# Altium PCB BPod Panel Due.PcbDoc (part 2 of 5)
Units mm, origin at the board's own origin, x right, y up, seen from the top; angles counter-clockwise.
Board outline 420 x 122 mm, 4 copper layers (Top Layer, Layer 2, Layer 3, Bottom Layer), stack 1.571 mm thick; 601 components, 454 nets, 1970 pads, 528 vias.
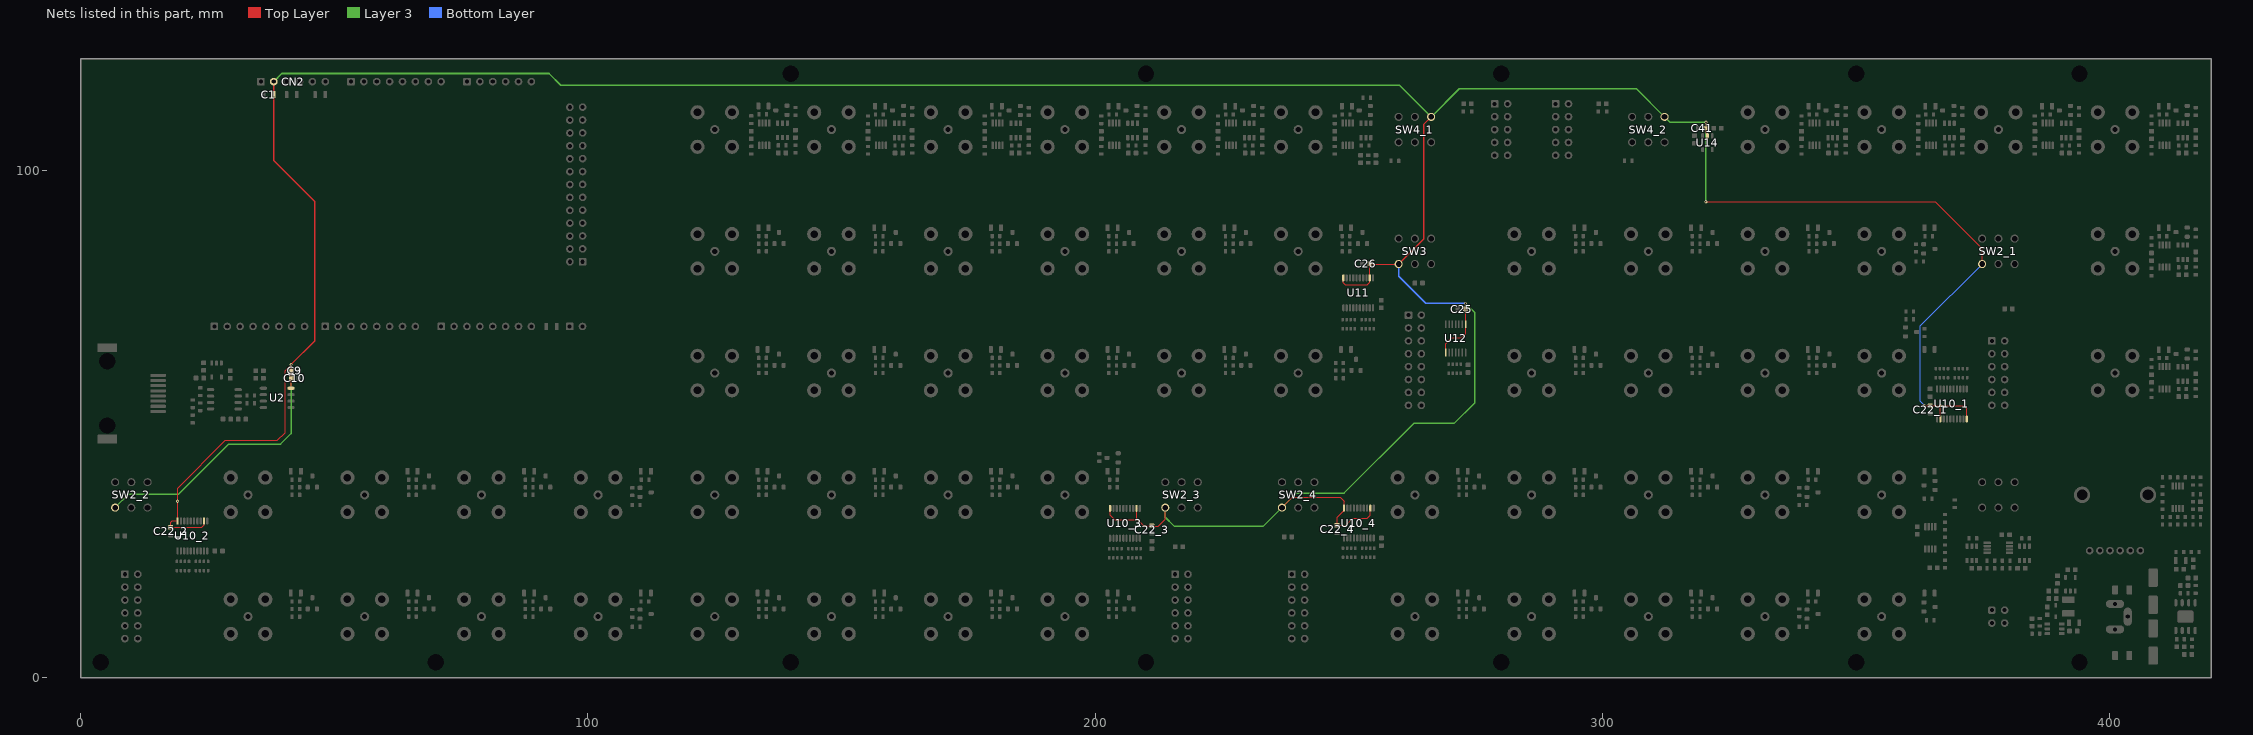
[diagram p4: the nets of this part, all layers, seen from the top]

## Components (designator, comment, footprint, x,y, rotation, side; value= is the part's Value field where it differs from the comment) (continued)
R24_2 "R0603-33K" RES_CHIP_0603 161.275,104.875 r180 top value=33k (schematic designator R24)
R24_3 "R0603-33K" RES_CHIP_0603 184.275,104.875 r180 top value=33k (schematic designator R24)
R24_4 "R0603-33K" RES_CHIP_0603 207.275,104.875 r180 top value=33k (schematic designator R24)
R24_5 "R0603-33K" RES_CHIP_0603 230.275,104.875 r180 top value=33k (schematic designator R24)
R24_6 "R0603-33K" RES_CHIP_0603 253.2,104.875 r180 top value=33k (schematic designator R24)
R24_7 "R0603-33K" RES_CHIP_0603 345.275,104.875 r180 top value=33k (schematic designator R24)
R24_8 "R0603-33K" RES_CHIP_0603 368.275,104.875 r180 top value=33k (schematic designator R24)
R24_9 "R0603-33K" RES_CHIP_0603 391.275,104.875 r180 top value=33k (schematic designator R24)
R24_10 "R0603-33K" RES_CHIP_0603 414.275,104.875 r180 top value=33k (schematic designator R24)
R24_11 "R0603-33K" RES_CHIP_0603 414.275,80.875 r180 top value=33k (schematic designator R24)
R24_12 "R0603-33K" RES_CHIP_0603 414.275,56.875 r180 top value=33k (schematic designator R24)
R25_1 "R0603-68K" RES_CHIP_0603 140.9,104.175 r90 top value=68k (schematic designator R25)
R25_2 "R0603-68K" RES_CHIP_0603 163.9,104.15 r90 top value=68k (schematic designator R25)
R25_3 "R0603-68K" RES_CHIP_0603 186.9,104.15 r90 top value=68k (schematic designator R25)
R25_4 "R0603-68K" RES_CHIP_0603 209.9,104.15 r90 top value=68k (schematic designator R25)
R25_5 "R0603-68K" RES_CHIP_0603 232.9,104.15 r90 top value=68k (schematic designator R25)
R25_6 "R0603-68K" RES_CHIP_0603 253.8,102.2 r90 top value=68k (schematic designator R25)
R25_7 "R0603-68K" RES_CHIP_0603 347.9,104.15 r90 top value=68k (schematic designator R25)
R25_8 "R0603-68K" RES_CHIP_0603 370.9,104.15 r90 top value=68k (schematic designator R25)
R25_9 "R0603-68K" RES_CHIP_0603 393.9,104.15 r90 top value=68k (schematic designator R25)
R25_10 "R0603-68K" RES_CHIP_0603 416.9,104.15 r90 top value=68k (schematic designator R25)
R25_11 "R0603-68K" RES_CHIP_0603 416.9,80.15 r90 top value=68k (schematic designator R25)
R25_12 "R0603-68K" RES_CHIP_0603 416.9,56.15 r90 top value=68k (schematic designator R25)
R26_1 "R0603-100K" RES_CHIP_0603 132.2,109.95 r90 top value=100k (schematic designator R26)
R26_2 "R0603-100K" RES_CHIP_0603 155.2,109.925 r90 top value=100k (schematic designator R26)
R26_3 "R0603-100K" RES_CHIP_0603 178.2,109.925 r90 top value=100k (schematic designator R26)
R26_4 "R0603-100K" RES_CHIP_0603 201.2,109.925 r90 top value=100k (schematic designator R26)
R26_5 "R0603-100K" RES_CHIP_0603 224.2,109.925 r90 top value=100k (schematic designator R26)
R26_6 "R0603-100K" RES_CHIP_0603 247.2,109.925 r90 top value=100k (schematic designator R26)
R26_7 "R0603-100K" RES_CHIP_0603 339.2,109.925 r90 top value=100k (schematic designator R26)
R26_8 "R0603-100K" RES_CHIP_0603 362.2,109.925 r90 top value=100k (schematic designator R26)
R26_9 "R0603-100K" RES_CHIP_0603 385.2,109.925 r90 top value=100k (schematic designator R26)
R26_10 "R0603-100K" RES_CHIP_0603 408.2,109.925 r90 top value=100k (schematic designator R26)
R26_11 "R0603-100K" RES_CHIP_0603 408.2,85.925 r90 top value=100k (schematic designator R26)
R26_12 "R0603-100K" RES_CHIP_0603 408.2,61.925 r90 top value=100k (schematic designator R26)
R27_1 "R0603-100K" RES_CHIP_0603 132.2,103.95 r270 top value=100k (schematic designator R27)
R27_2 "R0603-100K" RES_CHIP_0603 155.2,103.925 r270 top value=100k (schematic designator R27)
R27_3 "R0603-100K" RES_CHIP_0603 178.2,103.925 r270 top value=100k (schematic designator R27)
R27_4 "R0603-100K" RES_CHIP_0603 201.2,103.925 r270 top value=100k (schematic designator R27)
R27_5 "R0603-100K" RES_CHIP_0603 224.2,103.925 r270 top value=100k (schematic designator R27)
R27_6 "R0603-100K" RES_CHIP_0603 247.2,103.925 r270 top value=100k (schematic designator R27)
R27_7 "R0603-100K" RES_CHIP_0603 339.2,103.925 r270 top value=100k (schematic designator R27)
R27_8 "R0603-100K" RES_CHIP_0603 362.2,103.925 r270 top value=100k (schematic designator R27)
R27_9 "R0603-100K" RES_CHIP_0603 385.2,103.925 r270 top value=100k (schematic designator R27)
R27_10 "R0603-100K" RES_CHIP_0603 408.2,103.925 r270 top value=100k (schematic designator R27)
R27_11 "R0603-100K" RES_CHIP_0603 408.2,79.925 r270 top value=100k (schematic designator R27)
R27_12 "R0603-100K" RES_CHIP_0603 408.2,55.925 r270 top value=100k (schematic designator R27)
R28_1 "R0603-680R" RES_CHIP_0603 140.9,111.6 r90 top value=680 (schematic designator R28)
R28_2 "R0603-680R" RES_CHIP_0603 163.9,111.575 r90 top value=680 (schematic designator R28)
R28_3 "R0603-680R" RES_CHIP_0603 186.9,111.575 r90 top value=680 (schematic designator R28)
R28_4 "R0603-680R" RES_CHIP_0603 209.9,111.575 r90 top value=680 (schematic designator R28)
R28_5 "R0603-680R" RES_CHIP_0603 232.9,111.575 r90 top value=680 (schematic designator R28)
R28_6 "R0603-680R" RES_CHIP_0603 253.5,114.275 r0 top value=680 (schematic designator R28)
R28_7 "R0603-680R" RES_CHIP_0603 347.9,111.575 r90 top value=680 (schematic designator R28)
R28_8 "R0603-680R" RES_CHIP_0603 370.9,111.575 r90 top value=680 (schematic designator R28)
R28_9 "R0603-680R" RES_CHIP_0603 393.9,111.575 r90 top value=680 (schematic designator R28)
R28_10 "R0603-680R" RES_CHIP_0603 416.9,111.575 r90 top value=680 (schematic designator R28)
R28_11 "R0603-680R" RES_CHIP_0603 416.9,87.575 r90 top value=680 (schematic designator R28)
R28_12 "R0603-680R" RES_CHIP_0603 416.9,63.575 r90 top value=680 (schematic designator R28)
R29_1 "R0603-100K" RES_CHIP_0603 259.05,101.825 r180 top value=100k (schematic designator R29)
R29_2 "R0603-100K" RES_CHIP_0603 305.05,101.825 r180 top value=100k (schematic designator R29)
R30 "R0603-20K" RES_CHIP_0603 413.9,7.55 r180 top value=20k
R31 "R0603-33K" RES_CHIP_0603 416.15,6.8 r90 top value=33k
R32 "R1206-10R" RES_CHIP_1206 402.4,4.325 r180 top value=10
R33 "VOLUME" VR_RK12L12C 401,36 r0 top value=10k
R34 "R0603-1M" RES_CHIP_0603 413.775,24.725 r180 top value=1M
R35 "R0603-1M" RES_CHIP_0603 416.775,24.725 r180 top value=1M
R36 "R1206-10R" RES_CHIP_1206 402.4,17.275 r180 top value=10
R37 "R0603-33K" RES_CHIP_0603 416.875,17.375 r270 top value=33k
R38 "R0603-20K" RES_CHIP_0603 414.625,16.625 r180 top value=20k
R39 "R0603-62K" RES_CHIP_0603 386.15,10.9 r90 top value=62k
R40 "R0603-10K" RES_CHIP_0603 385.4,8.65 r0 top value=10k
R41 "R0603-910R" RES_CHIP_0603 416.35,33.9 r270 top value=910
R42 "R0603-10K" RES_CHIP_0603 417.85,38.7 r90 top value=10k
R43 "R0603-15K" RES_CHIP_0603 416.35,38.7 r270 top value=15k
R44 "R0603-110R" RES_CHIP_0603 417.1,36.15 r180 top value=110
R45 "R0603-10K" RES_CHIP_0603 411.1,39.45 r180 top value=10k
R46 "R0603-100K" RES_CHIP_0603 414.1,39.45 r180 top value=100k
R47 "R0603-15K" RES_CHIP_0603 410.35,36.9 r90 top value=15k
R48 "R0603-910R" RES_CHIP_0603 417.1,31.65 r0 top value=910
R49 "R0603-10K" RES_CHIP_0603 414.1,30.15 r180 top value=10k
R50 "R0603-15K" RES_CHIP_0603 414.1,31.65 r0 top value=15k
R51 "R0603-110R" RES_CHIP_0603 417.1,30.15 r180 top value=110
R52 "R0603-10K" RES_CHIP_0603 411.1,31.65 r0 top value=10k
R53 "R0603-100K" RES_CHIP_0603 411.1,30.15 r180 top value=100k
R54 "R0603-15K" RES_CHIP_0603 410.35,33.9 r270 top value=15k
RN1_1 "RN0603-10R" RES_ARRAY_0603 366.875,60 r90 top value=10 (schematic designator RN1)
RN1_2 "RN0603-10R" RES_ARRAY_0603 23.925,21.975 r270 top value=10 (schematic designator RN1)
RN1_3 "RN0603-10R" RES_ARRAY_0603 207.725,24.5 r270 top value=10 (schematic designator RN1)
RN1_4 "RN0603-10R" RES_ARRAY_0603 253.775,24.6 r270 top value=10 (schematic designator RN1)
RN2_1 "RN0603-10R" RES_ARRAY_0603 370.625,60 r90 top value=10 (schematic designator RN2)
RN2_2 "RN0603-10R" RES_ARRAY_0603 20.175,21.975 r270 top value=10 (schematic designator RN2)
RN2_3 "RN0603-10R" RES_ARRAY_0603 203.975,24.5 r270 top value=10 (schematic designator RN2)
RN2_4 "RN0603-10R" RES_ARRAY_0603 250.025,24.6 r270 top value=10 (schematic designator RN2)
RN3 "RN0603-10R" RES_ARRAY_0603 253.7,69.65 r270 top value=10
RN4 "RN0603-10R" RES_ARRAY_0603 249.95,69.65 r270 top value=10
RN5 "RN0603-10R" RES_ARRAY_0603 270.85,60.875 r270 top value=10
SW1 "LVL_SW" SW_SLIDE_OS202013MT8 378,36 r180 top
SW2_1 "LVL_SW" SW_SLIDE_OS202013MT8 378,84 r180 top (schematic designator SW2)
SW2_2 "LVL_SW" SW_SLIDE_OS202013MT8 10,36 r180 top (schematic designator SW2)
SW2_3 "LVL_SW" SW_SLIDE_OS202013MT8 217,36 r180 top (schematic designator SW2)
SW2_4 "LVL_SW" SW_SLIDE_OS202013MT8 240,36 r180 top (schematic designator SW2)
SW3 "LVL_SW" SW_SLIDE_OS202013MT8 263,84 r180 top
SW4_1 "LVL_SW" SW_SLIDE_OS202013MT8 263,108 r180 top (schematic designator SW4)
SW4_2 "LVL_SW" SW_SLIDE_OS202013MT8 309,108 r180 top (schematic designator SW4)
U1 "SP490E" SOIC8 28.35,54.841 r90 top
U2 "ADUM1201B" SOIC8 38.75,55.11 r270 top
U3 "SPX3819-5V" SOT23-5 26.8,60.6 r180 top
U4 "ADG819" SOT23-6 372.775,24.475 r0 top
U5 "AD8606" VSSOP8_3X3_0.65E 378,25.575 r270 top
U6 "AD8606" VSSOP8_3X3_0.65E 364.588,27.525 r180 top
U7 "ADG819" SOT23-6 383.15,24.475 r0 top
U8_1 "ADG819" SOT23-6 138.35,107.85 r180 top (schematic designator U8)
U8_2 "ADG819" SOT23-6 161.35,107.825 r180 top (schematic designator U8)
U8_3 "ADG819" SOT23-6 184.35,107.825 r180 top (schematic designator U8)
U8_4 "ADG819" SOT23-6 207.35,107.825 r180 top (schematic designator U8)
U8_5 "ADG819" SOT23-6 230.35,107.825 r180 top (schematic designator U8)
U8_6 "ADG819" SOT23-6 253.35,107.825 r180 top (schematic designator U8)
U8_7 "ADG819" SOT23-6 345.35,107.825 r180 top (schematic designator U8)
U8_8 "ADG819" SOT23-6 368.35,107.825 r180 top (schematic designator U8)
U8_9 "ADG819" SOT23-6 391.35,107.825 r180 top (schematic designator U8)
U8_10 "ADG819" SOT23-6 414.35,107.825 r180 top (schematic designator U8)
U8_11 "ADG819" SOT23-6 414.35,83.825 r180 top (schematic designator U8)
U8_12 "ADG819" SOT23-6 414.35,59.825 r180 top (schematic designator U8)
U9_1 "AD8606" VSSOP8_3X3_0.65E 134.75,107.1 r180 top (schematic designator U9)
U9_2 "AD8606" VSSOP8_3X3_0.65E 157.75,107.1 r180 top (schematic designator U9)
U9_3 "AD8606" VSSOP8_3X3_0.65E 180.75,107.1 r180 top (schematic designator U9)
U9_4 "AD8606" VSSOP8_3X3_0.65E 203.75,107.1 r180 top (schematic designator U9)
U9_5 "AD8606" VSSOP8_3X3_0.65E 226.75,107.1 r180 top (schematic designator U9)
U9_6 "AD8606" VSSOP8_3X3_0.65E 249.75,107.1 r180 top (schematic designator U9)
U9_7 "AD8606" VSSOP8_3X3_0.65E 341.75,107.1 r180 top (schematic designator U9)
U9_8 "AD8606" VSSOP8_3X3_0.65E 364.75,107.1 r180 top (schematic designator U9)
U9_9 "AD8606" VSSOP8_3X3_0.65E 387.75,107.1 r180 top (schematic designator U9)
U9_10 "AD8606" VSSOP8_3X3_0.65E 410.75,107.1 r180 top (schematic designator U9)
U9_11 "AD8606" VSSOP8_3X3_0.65E 410.75,83.075 r180 top (schematic designator U9)
U9_12 "AD8606" VSSOP8_3X3_0.65E 410.75,59.075 r180 top (schematic designator U9)
U10_1 "TXB0108" TSSOP20_6.5X4.4_0.65E 368.85,53.925 r0 top (schematic designator U10)
U10_2 "TXB0108" TSSOP20_6.5X4.4_0.65E 22.05,27.9 r180 top (schematic designator U10)
U10_3 "TXB0108" TSSOP20_6.5X4.4_0.65E 205.85,30.4 r180 top (schematic designator U10)
U10_4 "TXB0108" TSSOP20_6.5X4.4_0.65E 251.95,30.45 r180 top (schematic designator U10)
U11 "TXB0108" TSSOP20_6.5X4.4_0.65E 251.825,75.825 r180 top
U12 "TXB0104" TSSOP14_5X4.4_0.65E 271.025,66.85 r180 top
U13 "AD8397" SOIC8_AD8397 414.875,12 r0 top
U14 "TPS60403" SOT23-5 320.65,105.425 r180 top
U15 "RT8259" SOT23-6 389.083,9.6 r270 top
U16 "SPX3819-5V" SOT23-5 392.2,18.4 r0 top
U17 "AD8606" VSSOP8_3X3_0.65E 413.35,35.55 r180 top

## Footprints (in the part's own frame and the unit in brackets; to place one, negate y for a bottom-side part, rotate by r counter-clockwise, add the part's x,y. Pads: shape width x height; smd on the part's side, far side on the other; paste and mask are expansions set on the pad)
6339160-1 [mm] "Modular Connectors / Ethernet Connectors 8 contacts;Ultra Low profile;RA TH; RJ45"
  rrect10% 1.7x3.9 smd: 0(-9,0) 0(9,0)
  rrect50% 0.61x3.05 smd: 1(3.556,10) 2(2.54,10) 3(1.524,10) 4(0.508,10) 5(-0.508,10) 6(-1.524,10) 7(-2.54,10) 8(-3.556,10)
  round 0 hole 3.2: ""(-6.35,0) ""(6.35,0)
  silkscreen extent -9.32,-5.28 9.32,10.34, body extent -9.4,-5.28 9.4,11.21, height 14.82
BNC-AMP-112515 [mm] "BNC Board-End 4GHz 50£[ Plugin Coaxial Connectors (RF) ROHS"
  round 1.8 hole 1: 1(0,0)
  round 2.8 hole 1.5: 2(-3.4,-3.4) 2(-3.4,3.4) 2(3.4,3.4) 2(3.4,-3.4)
  silkscreen extent -4.8,-5.75 4.8,5.75, body extent -5.74,-5.75 5.74,5.75, height 20.1
CAP_CHIP_0603 [mm]
  rrect25% 0.9x0.95 smd: 1(-0.75,0) 2(0.75,0)
  silkscreen extent -1.5,-0.75 1.5,0.75, body extent -0.8,-0.4 0.8,0.4, height 0.8
CAP_CHIP_0805 [mm] "Chip Capacitor, 2-Leads, Body 2.00x1.25mm, IPC Medium Density"
  rrect25% 0.7x1.4 smd: 1(-1,0) 2(1,0)
  silkscreen extent -1.7,-0.95 1.7,0.95, body extent -1,-0.63 1,0.63, height 1.26
ECAP_SMD_6.3X5.4 [mm] "Aluminum Electrolytic Capacitor, Body 6.60x6.60x5.80mm, IPC Low Density"
  rrect25% 3.6x1.85 smd: 1(-2.675,0) 2(2.675,0)
  silkscreen extent -3.4,-3.4 3.4,3.4, body extent -3.65,-3.4 3.65,3.4, height 5.8
FB_CHIP_0603 [mm]
  rrect25% 0.65x0.85 smd: 1(-0.85,0) 2(0.85,0)
  silkscreen extent -1.5,-0.75 1.5,0.75, body extent -0.8,-0.4 0.8,0.4, height 0.45
FB_CHIP_0805 [mm]
  rrect25% 0.75x1.3 smd: 1(-1,0) 2(1,0)
  silkscreen extent -1.65,-0.9 1.65,0.9, body extent -1,-0.62 1,0.63, height 0.85
IND_PWR_1210 [mm]
  rrect25% 1.3x2.5 smd: 1(-1.35,0) 2(1.35,0)
  silkscreen extent -2.3,-1.6 2.3,1.6, body extent -2.1,-1.45 2.1,1.45, height 0.25
LED_CHIP_0805 [mm]
  rrect25% 0.75x1.3 smd: 1(-1,0) 2(1,0)
  silkscreen extent -1.65,-0.9 1.65,0.9, body extent -1,-0.62 1,0.62, height 1
PIN_2.54_1X2P [mm] "PinHeader 1x2 TH Pitch 2.54mm"
  rrect25% 1.5x1.5 hole 0.8: 1(-1.295,0)
  round 1.5 hole 0.8: 2(1.245,0)
  silkscreen extent -2.57,-1.27 2.51,1.27, body extent -2.54,-1.25 2.54,1.25, height 8.2
PIN_2.54_1X6P [mm] "PinHeader 1x6 TH Pitch 2.54mm"
  rrect25% 1.5x1.5 hole 0.8: 1(-6.35,0)
  round 1.5 hole 0.8: 2(-3.81,0) 3(-1.27,0) 4(1.27,0) 5(3.81,0) 6(6.35,0)
  silkscreen extent -7.65,-1.3 7.59,1.24, body extent -7.64,-1.25 7.6,1.25, height 8.2
PIN_2.54_1X8P [mm] "PinHeader 1x8 TH Pitch 2.54mm"
  rrect25% 1.5x1.5 hole 0.8: 1(0,0)
  round 1.5 hole 0.8: 2(2.54,0) 3(5.08,0) 4(7.62,0) 5(10.16,0) 6(12.7,0) 7(15.24,0) 8(17.78,0)
  silkscreen extent -1.27,-1.27 19.05,1.27, body extent -1.27,-1.25 19.05,1.25, height 8.2
PIN_2.54_2X2P [mm]
  rrect50% 1.5x1.5 hole 0.8: 1(-1.27,-1.27)
  round 1.5 hole 0.8: 2(-1.27,1.27) 3(1.27,-1.27) 4(1.27,1.27)
  silkscreen extent -2.55,-2.51 2.55,2.57, body extent -2.54,-2.5 2.54,2.5, height 8.2
PIN_2.54_2X5P [mm]
  rrect25% 1.5x1.5 hole 0.8: 1(-5.08,-1.27)
  round 1.5 hole 0.8: 2(-5.08,1.27) 3(-2.54,-1.27) 4(-2.54,1.27) 5(0,-1.27) 6(0,1.27) 7(2.54,-1.27) 8(2.54,1.27) 9(5.08,-1.27) 10(5.08,1.27)
  silkscreen extent -6.35,-2.52 6.33,2.55, body extent -6.25,-2.54 6.25,2.54, height 8.2
PIN_2.54_2X6P [mm]
  rrect25% 1.5x1.5 hole 0.8: 1(-6.35,-1.27)
  round 1.5 hole 0.8: 2(-6.35,1.27) 3(-3.81,-1.27) 4(-3.81,1.27) 5(-1.27,-1.27) 6(-1.27,1.27) 7(1.27,-1.27) 8(1.27,1.27) 9(3.81,-1.27) 10(3.81,1.27) 11(6.35,-1.27) 12(6.35,1.27)
  silkscreen extent -7.65,-2.51 7.65,2.57, body extent -7.5,-2.54 7.5,2.54, height 8.2
PIN_2.54_2X8P [mm]
  rrect25% 1.5x1.5 hole 0.8: 1(-8.89,-1.27)
  round 1.5 hole 0.8: 2(-8.89,1.27) 3(-6.35,-1.27) 4(-6.35,1.27) 5(-3.81,-1.27) 6(-3.81,1.27) 7(-1.27,-1.27) 8(-1.27,1.27) 9(1.27,-1.27) 10(1.27,1.27) 11(3.81,-1.27) 12(3.81,1.27) 13(6.35,-1.27) 14(6.35,1.27) 15(8.89,-1.27) 16(8.89,1.27)
  silkscreen extent -10.16,-2.55 10.14,2.53, body extent -10.01,-2.54 9.99,2.54, height 8.2
PIN_2.54_2X13P [mm]
  rrect25% 1.5x1.5 hole 0.8: 1(-15.215,-1.27)
  round 1.5 hole 0.8: 2(-15.215,1.27) 3(-12.675,-1.27) 4(-12.7,1.27) 5(-10.135,-1.27) 6(-10.16,1.27) 7(-7.595,-1.27) 8(-7.62,1.27) 9(-5.055,-1.27) 10(-5.08,1.27) 11(-2.515,-1.27) 12(-2.54,1.27) 13(0.025,-1.27) 14(0,1.27) 15(2.565,-1.27) 16(2.54,1.27) 17(5.105,-1.27) 18(5.08,1.27) 19(7.645,-1.27) 20(7.62,1.27) 21(10.185,-1.27) 22(10.16,1.27) 23(12.725,-1.27) 24(12.7,1.27) 25(15.265,-1.27) 26(15.24,1.27)
  silkscreen extent -16.51,-2.51 16.49,2.57, body extent -16.51,-2.54 16.51,2.54, height 8.51
PJ-3920 [mm] "3.5mm Headphone Jack 30V 500mA Plugin Audio Connectors"
  oval 1.6x3.6 hole 0.8 slot 2.8 at 90 deg paste-2539.97 mask+0.051: 1(2.5,0)
  oval 3.6x1.6 hole 0.8 slot 2.6 at 0 deg paste-2539.97 mask+0.051: 2(0,-2.5) 3(0,2.5)
  silkscreen extent -4,-4 4,4, body extent -4,-4 4,4, height 14.41
RES_ARRAY_0603 [mm] "Chip Array, Flat, 8-Leads, Pitch 0.80mm,  Body 3.20x1.60mm,  IPC Medium Density"
  rrect50% 0.7x0.5 smd: 1(-0.9,1.2) 2(-0.9,0.4) 3(-0.9,-0.4) 4(-0.9,-1.2) 5(0.9,-1.2) 6(0.9,-0.4) 7(0.9,0.4) 8(0.9,1.2)
  silkscreen extent -0.9,-1.75 0.9,1.75, body extent -0.92,-1.68 0.92,1.68, height 0.5
RES_CHIP_0603 [mm]
  rrect25% 0.65x0.85 smd: 1(-0.75,0) 2(0.75,0)
  silkscreen extent -1.5,-0.75 1.5,0.75, body extent -0.8,-0.4 0.8,0.4, height 0.45
RES_CHIP_1206 [mm]
  rrect25% 1.15x1.75 smd: 1(-1.4,0) 2(1.4,0)
  silkscreen extent -2.3,-1.15 2.3,1.15, body extent -1.6,-0.8 1.6,0.8, height 0.55
SOD323 [mm]
  rrect25% 0.85x0.5 smd: 1(-1.125,0) 2(1.125,0)
  silkscreen extent -1.5,-0.75 0.9,0.75, body extent -1.25,-0.72 1.25,0.72, height 1.2
SOIC8 [mm] "SOIC, 8-Leads, Body 4.90x3.90mm, Pitch 1.27mm, IPC Medium Density"
  oval 0.6x1.45 smd: 1(-1.905,-2.725) 2(-0.635,-2.725) 3(0.635,-2.725) 4(1.905,-2.725) 5(1.905,2.725) 6(0.635,2.725) 7(-0.635,2.725) 8(-1.905,2.725)
  silkscreen extent -2.88,-2.85 2.5,1.6, body extent -2.5,-3 2.5,3, height 1.75
SOIC8_AD8397 [mm] "SOP, 8-Leads, Body 4.90x3.90mm, Pitch 1.27mm, Thermal Pad 3.10x2.41mm, IPC Medium Density"
  oval 0.6x1.45 smd: 1(-1.905,-2.725) 2(-0.635,-2.725) 3(0.635,-2.725) 4(1.905,-2.725) 5(1.905,2.725) 6(0.635,2.725) 7(-0.635,2.725) 8(-1.905,2.725)
  rrect25% 3.1x2.41 smd: 4(0,0)
  rrect25% 3.1x2.41 smd far side paste-2539.97 mask+0.102: 4(0,0)
  silkscreen extent -2.88,-2.85 2.5,1.6, body extent -2.5,-3 2.5,3, height 1.75
SOT23 [mm] "SOT23, 3-Leads, Body 2.90x2.40mm, Pitch 0.90mm, IPC Medium Density"
  rrect50% 1x0.8 smd: 1(1.1,-0.9) 2(1.1,0.9) 3(-1.1,0)
  silkscreen extent -0.7,-1.5 0.3,1.5, body extent -1.25,-1.5 1.25,1.5, height 0.92
SOT23-5 [mm] "SOT23, 5-Leads, Body 2.90x2.80mm, Pitch 0.95mm, IPC Medium Density"
  rrect50% 0.55x1 smd: 1(-0.95,-1.35) 2(0,-1.35) 3(0.95,-1.35) 4(0.95,1.35) 5(-0.95,1.35)
  silkscreen extent -1.9,-1.47 1.55,0.5, body extent -1.53,-1.5 1.53,1.5, height 1.45
SOT23-6 [mm]
  rrect25% 0.6x1.05 smd: 1(-0.95,-1.425) 2(0,-1.425) 3(0.95,-1.425) 4(0.95,1.425) 5(0,1.425) 6(-0.95,1.425)
  silkscreen extent -1.92,-1.55 1.55,0.5, body extent -1.55,-1.7 1.55,1.7, height 1.45
SW_SLIDE_OS202013MT8 [mm]
  round 1.6 hole 1.1: 1(-3.2,2.5) 2(0,2.5) 3(3.2,2.5) 4(-3.2,-2.5) 5(0,-2.5) 6(3.2,-2.5)
  silkscreen extent -6.8,-5.1 6.8,5.1, body extent -6.8,-5.1 6.8,5.1, height 10
TSSOP14_5X4.4_0.65E [mm] "TSOP, 14-Leads, Body 5.00x4.40mm, Pitch 0.65mm, IPC Medium Density"
  rrect25% 0.3x1.5 smd: 1(-1.95,-2.8) 2(-1.3,-2.8) 3(-0.65,-2.8) 4(0,-2.8) 5(0.65,-2.8) 6(1.3,-2.8) 7(1.95,-2.8) 8(1.95,2.8) 9(1.3,2.8) 10(0.65,2.8) 11(0,2.8) 12(-0.65,2.8) 13(-1.3,2.8) 14(-1.95,2.8)
  silkscreen extent -2.78,-2.92 2.55,1.85, body extent -2.55,-3.2 2.55,3.2, height 1.2
TSSOP20_6.5X4.4_0.65E [mm] "TSOP, 20-Leads, Body 6.50x4.40mm, Pitch 0.65mm, IPC Medium Density"
  oval 0.45x1.4 smd: 1(-2.925,-2.95) 2(-2.275,-2.95) 3(-1.625,-2.95) 4(-0.975,-2.95) 5(-0.325,-2.95) 6(0.325,-2.95) 7(0.975,-2.95) 8(1.625,-2.95) 9(2.275,-2.95) 10(2.925,-2.95) 11(2.925,2.95) 12(2.275,2.95) 13(1.625,2.95) 14(0.975,2.95) 15(0.325,2.95) 16(-0.325,2.95) 17(-0.975,2.95) 18(-1.625,2.95) 19(-2.275,2.95) 20(-2.925,2.95)
  silkscreen extent -3.82,-3.07 3.3,1.85, body extent -3.3,-3.2 3.3,3.2, height 1.1
VR_RK12L12C [mm]
  oval 3.2x3.3 hole 2.1: 0(-6.5,0) 0(6.5,0)
  round 1.5 hole 0.8: 1(-1,-11) 2(3,-11) 3(1,-11) 4(-3,-11) 5(5,-11) 6(-5,-11)
  silkscreen extent -6,-10.2 6,6, body extent -6.8,-11.3 6.8,6, height 24.3
VSSOP8_3X3_0.65E [mm] "TSOP, 8-Leads, Body 3.00x3.00mm, Pitch 0.65mm, IPC Medium Density"
  rrect25% 0.45x1.4 smd: 1(-0.975,-2.2) 2(-0.325,-2.2) 3(0.325,-2.2) 4(0.975,-2.2) 5(0.975,2.2) 6(0.325,2.2) 7(-0.325,2.2) 8(-0.975,2.2)
  silkscreen extent -1.87,-2.32 1.55,1.15, body extent -1.55,-2.45 1.55,2.45, height 1.1

## Part data
C1 C2 C3 C4 C31: library part CMP-611-0000-9, "0805 Multilayer Ceramic Capacitors MLCC", Capacitor Type=Ceramic, Case/Package=0805, Dielectric=X5R, LCSC Part N.=C45783, PartNumber=CL21A226MAQNNNE, Tolerance=20%, Voltage Rating=25V, Mount=SMD, Pick&PlaceFootprint=C0805, RoHS=Yes
C5 C7 C9 C11 C12 C40 C41 C42 C49: library part CMP-611-0033-11, "0603 Multilayer Ceramic Capacitors MLCC", Capacitor Type=Ceramic, Case/Package=0603, Dielectric=X5R, LCSC Part N.=C15849, PartNumber=CL10A105KB8NNNC, Tolerance=10%, Voltage Rating=50V, Mount=SMD, Pick&PlaceFootprint=C0603, RoHS=Yes
C6 C8 C10 C13 C14 C15 C16 C17 C18 C19_1 C19_2 C19_3 C19_4 C19_5 C19_6 C19_7 C19_8 C19_9 C19_10 C19_11 C19_12 C20_1 C20_2 C20_3 C20_4 C20_5 C20_6 C20_7 C20_8 C20_9 C20_10 C20_11 C20_12 C21_1 C21_2 C21_3 C21_4 C21_5 C21_6 C21_7 C21_8 C21_9 C21_10 C21_11 C21_12 C22_1 C22_2 C22_3 C22_4 C23_1 C23_2 C23_3 C23_4 C25 C26 C27 C28 C32 C36 C50: library part CMP-611-0027-24, "0603 Multilayer Ceramic Capacitors MLCC", Capacitor Type=Ceramic, Case/Package=0603, Dielectric=X7R, LCSC Part N.=C14663, PartNumber=CC0603KRX7R9BB104, Tolerance=10%, Voltage Rating=50V, Mount=SMD, Pick&PlaceFootprint=C0603, RoHS=Yes
C24_1 C24_2 C24_3 C24_4 C29 C30_1 C30_2 C45 C48: library part CMP-611-0048-3, "Ceramic Capacitor, Multilayer, Ceramic, 35V, 20% +Tol, 20% -Tol, X5R, 15% TC, 10uF, Surface Mount, 0603", Capacitor Type=Ceramic, Case/Package=0603, Dielectric=X5R, LCSC Part N.=C194427, PartNumber=GRM188R6YA106MA73D, Tolerance=20%, Voltage Rating=35V, Mount=SMD, Pick&PlaceFootprint=C0603, RoHS=Yes
C33 C39: library part CMP-611-0075-1, "0603 Multilayer Ceramic Capacitors MLCC", Capacitor Type=Ceramic, Case/Package=0603, Dielectric=X7R, LCSC Part N.=C1603, PartNumber=CL10B221KB8NNNC, Tolerance=10%, Voltage Rating=50V, Mount=SMD, Pick&PlaceFootprint=C0603, RoHS=Yes
C34 C38 C46: library part CMP-611-0050-6, "0603 Multilayer Ceramic Capacitors MLCC", Capacitor Type=Ceramic, Case/Package=0603, Dielectric=X5R, LCSC Part N.=C96446, PartNumber=CL10A106MA8NRNC, Tolerance=20%, Voltage Rating=25V, Mount=SMD, Pick&PlaceFootprint=C0603, RoHS=Yes
C35 C37: library part CMP-612-0008-1, "10µF ±20% 50V SMD Aluminum Electrolytic Capacitor Surface Mount D", Capacitor Type=Electrolytic, LCSC Part N.=C18214277, PartNumber=CK1A221M-CRE54, Tolerance=20%, Voltage Rating=10V, Mount="Surface Mount", Pick&PlaceFootprint=EC63, RoHS=Yes
C43 C47: library part CMP-611-0022-7, "0603 Multilayer Ceramic Capacitors MLCC", Capacitor Type=Ceramic, Case/Package=0603, Dielectric=X7R, LCSC Part N.=C57112, PartNumber=0603B103K500NT, Tolerance=10%, Voltage Rating=50V, Mount=SMD, Pick&PlaceFootprint=C0603, RoHS=Yes
C44: library part CMP-611-0038-6, "0603 Multilayer Ceramic Capacitors MLCC", Capacitor Type=Ceramic, Case/Package=0603, Dielectric=C0G, LCSC Part N.=C14858, PartNumber=CL10C101JB8NNNC, Tolerance=5%, Voltage Rating=50V, Mount=SMD, Pick&PlaceFootprint=C0603, RoHS=Yes
CN1 CN3 CN4 CN5: library part CMP-380-0027-4, "Straight Policy 2.5mm 8P 6mm -40℃~+105℃ 3mm 2.54mm Single Row Black Brass 1x10P Plugin,P=2.54mm Pin Headers ROHS", LCSC Part N.=C492407, PartNumber=PZ254V-11-08P, Gender=Male, Mount="Through Hole", Number of Contacts=8, Number of Positions=8, Number of Rows=1, Orientation=Straight, Pitch=2.54mm
CN2 CN6: library part CMP-380-0028-3, "Straight Policy 2.5mm 6P 6mm -40℃~+105℃ 3mm 2.54mm Single Row Black Brass 1x10P Plugin,P=2.54mm Pin Headers ROHS", LCSC Part N.=C492405, PartNumber=PZ254V-11-06P, Gender=Male, Mount="Through Hole", Number of Contacts=6, Number of Positions=6, Number of Rows=1, Orientation=Straight, Pitch=2.54mm
CN7: library part CMP-380-0041-2, "Straight Policy 2.5mm 6P 6mm -40℃~+105℃ 3mm 2.54mm Single Row Black Brass 1x10P Plugin,P=2.54mm Pin Headers ROHS", LCSC Part N.=C492401, PartNumber=PZ254V-11-02P, Gender=Male, Mount="Through Hole", Number of Contacts=2, Number of Positions=2, Number of Rows=1, Orientation=Straight, Pitch=2.54mm
CN8: library part CMP-380-0040-1, "Straight Policy 2.5mm 6mm -40℃~+105℃ 3mm 2.54mm Double Row Black Brass 2.54mm Plugin,P=2.54mm Pin Headers", LCSC Part N.=C2894974, PartNumber=PZ254-2-13-Z-8.5, Gender=Male, Mount="Through Hole", Number of Contacts=24, Number of Positions=12, Number of Rows=2, Orientation=Straight, Pitch=2.54mm
CN9: library part CMP-390-0000-8, "CONN MOD JACK 8P8C R/A SHIELDED", LCSC Part N.=C125076, PartNumber=6339160-1, Element Configuration=Single, Gender=Female, Number of Contacts=8, Orientation="Right Angle", Pitch=1.02mm, Shielding=Shielded, Termination=SMD/SMT
CN10 CN12 CN13_1 CN13_2 CN13_3 CN13_4 CN13_5 CN13_6 CN13_7 CN13_8 CN13_9 CN13_10 CN13_11 CN13_12 CN13_13 CN13_14 CN13_15 CN13_16 CN13_17 CN13_18 CN13_19 CN13_20 CN13_21 CN13_22 CN13_23 CN13_24 CN13_25 CN13_26 CN13_27 CN13_28 CN13_29 CN13_30 CN13_31 CN13_32 CN13_33 CN13_34 CN13_35 CN13_36 CN13_37 CN13_38 CN13_39 CN13_40 CN13_41 CN13_42 CN13_43 CN13_44 CN14_1 CN14_2 CN14_3 CN14_4 CN14_5 CN14_6 CN14_7 CN14_8 CN14_9 CN14_10 CN14_11 CN14_12: library part CMP-730-0003-11, "RF BNC Connector, Female, Board Mount, Solder Terminal, Jack", Clock Frequency=4GHz, LCSC Part N.=C3176191, PartNumber=112515, Characteristic Impedance=50R, Connector Type=BNC, Gender=Female, Orientation=Straight
CN11: library part CMP-380-0037-5, "Straight Policy 2.5mm 6mm -40℃~+105℃ 3mm 2.54mm Double Row Black Brass 2.54mm Plugin,P=2.54mm Pin Headers", LCSC Part N.=C492419, PartNumber=PZ254V-12-4P, Gender=Male, Mount="Through Hole", Number of Contacts=4, Number of Positions=2, Number of Rows=2, Orientation=Straight, Pitch=2.54mm
CN15_1 CN15_2 CN15_3 CN15_4: library part CMP-380-0033-5, "Straight Policy 2.5mm 6mm -40℃~+105℃ 3mm 2.54mm Double Row Black Brass 2.54mm Plugin,P=2.54mm Pin Headers", LCSC Part N.=C492423, PartNumber=PZ254V-12-12P, Gender=Male, Mount="Through Hole", Number of Contacts=12, Number of Positions=6, Number of Rows=2, Orientation=Straight, Pitch=2.54mm
CN16: library part CMP-380-0031-5, "Straight Policy 2.5mm 6mm -40℃~+105℃ 3mm 2.54mm Double Row Black Brass 2.54mm Plugin,P=2.54mm Pin Headers", LCSC Part N.=C492425, PartNumber=PZ254V-12-16P, Gender=Male, Mount="Through Hole", Number of Contacts=16, Number of Positions=8, Number of Rows=2, Orientation=Straight, Pitch=2.54mm
CN17_1 CN17_2: library part CMP-380-0034-5, "Straight Policy 2.5mm 6mm -40℃~+105℃ 3mm 2.54mm Double Row Black Brass 2.54mm Plugin,P=2.54mm Pin Headers", LCSC Part N.=C492422, PartNumber=PZ254V-12-10P, Gender=Male, Mount="Through Hole", Number of Contacts=10, Number of Positions=5, Number of Rows=2, Orientation=Straight, Pitch=2.54mm
CN18: library part CMP-380-0042-2, "3.5mm Headphone Jack 30V 500mA Plugin Audio Connectors", LCSC Part N.=C707259, PartNumber=PJ-3920-3A, Gender=Female, IEC Conformance=No, Mount="Through Hole", Orientation=Vertical, Pitch=3.5mm
D1: library part CMP-821-0013-3, "Rectifier Diode, Schottky, 1 Phase, 1 Element, 1A, 30V V(RRM), Silicon", Forward Current=1A, Forward Voltage=370mV, LCSC Part N.=C146335, Max Reverse Voltage=30V, PartNumber=CUS10S30,H3F, Mount="Surface Mount", Pick&PlaceFootprint=SOD323
FB1_1 FB1_2: library part CMP-600-0001-6, "Ferrite Chip, 1 Function(s), 0.2A, 2 Pin(s)", Current Rating=200mA, DC Resistance-Max=450mR, LCSC Part N.=C1002, PartNumber=GZ1608D601TF
FB2: library part CMP-600-0000-6, "Ferrite Chip, 1 Function(s), 0.5A, 2 Pin(s)", Current Rating=500mA, DC Resistance-Max=300mR, LCSC Part N.=C1017, PartNumber=GZ2012D601TF
L1: library part CMP-620-0005-6, "Inductor Power Chip Shielded Wirewound 47uH 20% 1MHz Ferrite 0.5A 0.9Ohm DCR 1210 Automotive T/R", DC Resistance (DCR)=900mR, LCSC Part N.=C907956, PartNumber=LQW32FT470M0HL, RMS Current (Irms)=500mA, Saturation Current=300mA, Tolerance=20%
LED1 LED2 LED3_1 LED3_2 LED3_3 LED3_4 LED3_5 LED3_6 LED3_7 LED3_8 LED3_9 LED3_10 LED3_11 LED3_12 LED3_13 LED3_14 LED3_15 LED3_16 LED3_17 LED3_18 LED3_19 LED3_20 LED3_21 LED3_22 LED3_23 LED3_24 LED3_25 LED3_26 LED3_27 LED3_28 LED3_29 LED3_30 LED3_31 LED3_32 LED3_33 LED3_34 LED3_35 LED3_36 LED3_37 LED3_38 LED3_39 LED3_40 LED3_41 LED3_42 LED3_43 LED3_44 LED4_1 LED4_2 LED4_3 LED4_4 LED4_5 LED4_6 LED4_7 LED4_8 LED4_9 LED4_10 LED4_11 LED4_12: library part CMP-520-0018-2, "White 0805 Light Emitting Diodes (LED) ROHS", Colour=White, Forward Current=25mA, Forward Voltage=2.9V, LCSC Part N.=C34499, PartNumber=KT-0805W, Mount="Surface Mount", Pick&PlaceFootprint=LED0805, Wavelength=405nm
Q1 Q2 Q3_1 Q3_2 Q3_3 Q3_4 Q3_5 Q3_6 Q3_7 Q3_8 Q3_9 Q3_10 Q3_11 Q3_12 Q3_13 Q3_14 Q3_15 Q3_16 Q3_17 Q3_18 Q3_19 Q3_20 Q3_21 Q3_22 Q3_23 Q3_24 Q3_25 Q3_26 Q3_27 Q3_28 Q3_29 Q3_30 Q3_31 Q3_32 Q3_33 Q3_34 Q3_35 Q3_36 Q3_37 Q3_38 Q3_39 Q3_40 Q3_41 Q3_42 Q3_43 Q3_44 Q4_1 Q4_2 Q4_3 Q4_4 Q4_5 Q4_6 Q4_7 Q4_8 Q4_9 Q4_10 Q4_11 Q4_12: library part CMP-810-0002-2, "30V 5.7A 26.5mΩ@10V,5.7A 1.4W 1.5V@250uA 1 NChannel SOT-23-3L MOSFETs", Drain Current (Id)=5.7A, Drain-Source Voltage (Vds)=30V, Gate-Source Voltage (Vgs)=12V, LCSC Part N.=C20917, Power Dissipation=1.4W, Mount="Surface Mount", PartNumber=AO3400A, Pick&PlaceFootprint=SOT-23, Polarity="N Channel", RDS(ON)=26.5mR, Switching Time=34.5ns
R1 R4 R9 R18 R40 R42 R45 R49 R52: library part CMP-633-0002-26, "100mW Thick Film Resistors 75V ±100ppm/℃ ±1% 0603 Chip Resistor", Case/Package=0603, LCSC Part N.=C25804, Number of Resistors=1, PartNumber=0603WAF1002T5E, Power Rating=100mW, Tolerance=1%, Voltage Rating=75V, Mount="Surface Mount", Pick&PlaceFootprint=R0603
R2 R6: library part CMP-633-0100-12, "100mW Thick Film Resistors 75V ±100ppm/℃ ±1% 0603 Chip Resistor", Case/Package=0603, LCSC Part N.=C22787, Number of Resistors=1, PartNumber=0603WAF1200T5E, Power Rating=100mW, Tolerance=1%, Voltage Rating=75V, Mount="Surface Mount", Pick&PlaceFootprint=R0603
R3 R5 R23_1 R23_2 R23_3 R23_4 R23_5 R23_6 R23_7 R23_8 R23_9 R23_10 R23_11 R23_12: library part CMP-633-0013-26, "100mW Thick Film Resistors 75V ±100ppm/℃ ±1% 0603 Chip Resistor", Case/Package=0603, LCSC Part N.=C21190, Number of Resistors=1, PartNumber=0603WAF1001T5E, Power Rating=100mW, Tolerance=1%, Voltage Rating=75V, Mount="Surface Mount", Pick&PlaceFootprint=R0603
R7 R17: library part CMP-633-0090-12, "100mW Thick Film Resistors 75V ±100ppm/℃ ±1% 0603 Chip Resistor", Case/Package=0603, LCSC Part N.=C23186, Number of Resistors=1, PartNumber=0603WAF5101T5E, Power Rating=100mW, Tolerance=1%, Voltage Rating=75V, Mount="Surface Mount", Pick&PlaceFootprint=R0603
R8 R11 R12 R14 R15 R20_1 R20_2 R20_3 R20_4 R20_5 R20_6 R20_7 R20_8 R20_9 R20_10 R20_11 R20_12 R20_13 R20_14 R20_15 R20_16 R20_17 R20_18 R20_19 R20_20 R20_21 R20_22 R20_23 R20_24 R20_25 R20_26 R20_27 R20_28 R20_29 R20_30 R20_31 R20_32 R20_33 R20_34 R20_35 R20_36 R20_37 R20_38 R20_39 R20_40 R20_41 R20_42 R20_43 R20_44 R22_1 R22_2 R22_3 R22_4 R22_5 R22_6 R22_7 R22_8 R22_9 R22_10 R22_11 R22_12 R22_13 R22_14 R22_15 R22_16 R22_17 R22_18 R22_19 R22_20 R22_21 R22_22 R22_23 R22_24 R22_25 R22_26 R22_27 R22_28 R22_29 R22_30 R22_31 R22_32 R22_33 R22_34 R22_35 R22_36 R22_37 R22_38 R22_39 R22_40 R22_41 R22_42 R22_43 R22_44 R26_1 R26_2 R26_3 R26_4 R26_5 R26_6 R26_7 R26_8 R26_9 R26_10 R26_11 R26_12 R27_1 R27_2 R27_3 R27_4 R27_5 R27_6 R27_7 R27_8 R27_9 R27_10 R27_11 R27_12 R29_1 R29_2 R46 R53: library part CMP-633-0000-28, "100mW Thick Film Resistors 75V ±100ppm/℃ ±1% 0603 Chip Resistor", Case/Package=0603, LCSC Part N.=C25803, Number of Resistors=1, PartNumber=0603WAF1003T5E, Power Rating=100mW, Tolerance=1%, Voltage Rating=75V, Mount="Surface Mount", Pick&PlaceFootprint=R0603
R10 R19: library part CMP-633-0094-12, "100mW Thick Film Resistors 75V ±100ppm/℃ ±1% 0603 Chip Resistor", Case/Package=0603, LCSC Part N.=C22775, Number of Resistors=1, PartNumber=0603WAF1000T5E, Power Rating=100mW, Tolerance=1%, Voltage Rating=75V, Mount="Surface Mount", Pick&PlaceFootprint=R0603
R13 R16: library part CMP-633-0029-25, "100mW Thick Film Resistors 75V ±100ppm/℃ ±1% 0603 Chip Resistor", Case/Package=0603, LCSC Part N.=C22843, Number of Resistors=1, PartNumber=0603WAF1501T5E, Power Rating=100mW, Tolerance=1%, Voltage Rating=75V, Mount="Surface Mount", Pick&PlaceFootprint=R0603
R21_1 R21_2 R21_3 R21_4 R21_5 R21_6 R21_7 R21_8 R21_9 R21_10 R21_11 R21_12 R21_13 R21_14 R21_15 R21_16 R21_17 R21_18 R21_19 R21_20 R21_21 R21_22 R21_23 R21_24 R21_25 R21_26 R21_27 R21_28 R21_29 R21_30 R21_31 R21_32 R21_33 R21_34 R21_35 R21_36 R21_37 R21_38 R21_39 R21_40 R21_41 R21_42 R21_43 R21_44 R28_1 R28_2 R28_3 R28_4 R28_5 R28_6 R28_7 R28_8 R28_9 R28_10 R28_11 R28_12: library part CMP-633-0087-12, "100mW Thick Film Resistors 75V ±100ppm/℃ ±1% 0603 Chip Resistor", Case/Package=0603, LCSC Part N.=C23228, Number of Resistors=1, PartNumber=0603WAF6800T5E, Power Rating=100mW, Tolerance=1%, Voltage Rating=75V, Mount="Surface Mount", Pick&PlaceFootprint=R0603
R24_1 R24_2 R24_3 R24_4 R24_5 R24_6 R24_7 R24_8 R24_9 R24_10 R24_11 R24_12 R31 R37: library part CMP-633-0105-10, "100mW Thick Film Resistors 75V ±100ppm/℃ ±1% 0603 Chip Resistor", Case/Package=0603, LCSC Part N.=C4216, Number of Resistors=1, PartNumber=0603WAF3302T5E, Power Rating=100mW, Tolerance=1%, Voltage Rating=75V, Mount="Surface Mount", Pick&PlaceFootprint=R0603
R25_1 R25_2 R25_3 R25_4 R25_5 R25_6 R25_7 R25_8 R25_9 R25_10 R25_11 R25_12: library part CMP-633-0107-3, "100mW Thick Film Resistors 75V ±100ppm/℃ ±1% 0603 Chip Resistor", Case/Package=0603, LCSC Part N.=C23231, Number of Resistors=1, PartNumber=0603WAF6802T5E, Power Rating=100mW, Tolerance=1%, Voltage Rating=75V, Mount="Surface Mount", Pick&PlaceFootprint=R0603
R30 R38: library part CMP-633-0126-1, "100mW Thick Film Resistors 75V ±100ppm/℃ ±1% 0603 Chip Resistor", Case/Package=0603, LCSC Part N.=C4184, Number of Resistors=1, PartNumber=0603WAF2002T5E, Power Rating=100mW, Tolerance=1%, Voltage Rating=75V, Mount="Surface Mount", Pick&PlaceFootprint=R0603
R32 R36: library part CMP-633-0157-3, "Res Thick Film 1206 10 Ohm 5% 0.75W(3/4W) ±200ppm/C Pad SMD Automotive T/R", Case/Package=1206, LCSC Part N.=C3008858, Number of Resistors=1, PartNumber=CRCW120610R0JNEAHP, Power Rating=750mW, Tolerance=5%, Voltage Rating=200V, Mount="Surface Mount", Pick&PlaceFootprint=1206
R33: library part CMP-632-0007-2, "Res POT 10K Ohm 20% 1(Elec)/1(Mech)Turns 6mm (13 X 28.5mm) Snap-In Panel Mount", LCSC Part N.=C470285, PartNumber=RK12L12C0A0E, Power Rating=50mW, Tolerance=20%, Voltage Rating=10V, Hole Diameter=0.8mm, Mount=SMD, RoHS=Yes, Type=Potentiometer
R34 R35: library part CMP-633-0066-20, "100mW Thick Film Resistors 75V ±100ppm/℃ ±1% 0603 Chip Resistor", Case/Package=0603, LCSC Part N.=C22935, Number of Resistors=1, PartNumber=0603WAF1004T5E, Power Rating=100mW, Tolerance=1%, Voltage Rating=75V, Mount="Surface Mount", Pick&PlaceFootprint=R0603
R39: library part CMP-633-0150-1, "100mW Thick Film Resistors 75V ±100ppm/℃ ±1% 0603 Chip Resistor", Case/Package=0603, LCSC Part N.=C23221, Number of Resistors=1, PartNumber=0603WAF6202T5E, Power Rating=100mW, Tolerance=1%, Voltage Rating=75V, Mount="Surface Mount", Pick&PlaceFootprint=R0603
R41 R48: library part CMP-633-0088-12, "100mW Thick Film Resistors 75V ±100ppm/℃ ±1% 0603 Chip Resistor", Case/Package=0603, LCSC Part N.=C365225, Number of Resistors=1, PartNumber=HPCR0603F910RK9, Power Rating=100mW, Tolerance=1%, Voltage Rating=75V, Mount="Surface Mount", Pick&PlaceFootprint=R0603
R43 R47 R50 R54: library part CMP-633-0136-2, "100mW Thick Film Resistors 75V ±100ppm/℃ ±1% 0603 Chip Resistor", Case/Package=0603, LCSC Part N.=C22809, Number of Resistors=1, PartNumber=0603WAF1502T5E, Power Rating=100mW, Tolerance=1%, Voltage Rating=75V, Mount="Surface Mount", Pick&PlaceFootprint=R0603
R44 R51: library part CMP-633-0080-13, "100mW Thick Film Resistors 75V ±100ppm/℃ ±1% 0603 Chip Resistor", Case/Package=0603, LCSC Part N.=C705717, Number of Resistors=1, PartNumber=RT0603BRD07110RL, Power Rating=100mW, Tolerance=1%, Voltage Rating=75V, Mount="Surface Mount", Pick&PlaceFootprint=R0603
RN1_1 RN1_2 RN1_3 RN1_4 RN2_1 RN2_2 RN2_3 RN2_4 RN3 RN4 RN5: library part CMP-633-0183-1, "Array/Network Resistor, Jumper, Metal Glaze/thick Film, 10ohm, 50V, 5% +/-Tol, -200,200ppm/Cel, Surface Mount, 1206", Case/Package=0612, Element Power Dissipation=62.5mW, LCSC Part N.=C11993, Number of Resistors=4, PartNumber=4D03WGJ0100T5E, Tolerance=5%, Voltage Rating=50V, Mount=SMD, Pick&PlaceFootprint=R0603x4, Power Rating=62.5mW, RoHS=Yes
SW1 SW2_1 SW2_2 SW2_3 SW2_4 SW3 SW4_1 SW4_2: library part CMP-B00-0028-1, "Switch Slide ON ON DPDT Top Slide 0.3A 30VDC 10000Cycles PC Pins Thru-Hole Bulk", LCSC Part N.=C2799227, PartNumber=OS202013MT8QN1, Voltage Rating (DC)=30V, Orientation=Straight, Switch Function=On-On, Switch Travel=3.2mm, Throw Configuration=DPDT
U1: library part CMP-930-0018-1, "TRANSCEIVER RS485, SMD, NSOIC8, 5V; Device Type: Line Driver / Receiver; IC Interface Type: RS422, RS485; No. of...", LCSC Part N.=C19128, PartNumber=SP490EEN, Data Rate=10Mbps, Simplex/Duplex="Full Duplex"
U2: library part CMP-930-0008-4, "General Purpose Digital Isolator 2500Vrms 2 Channel 10Mbps 25kV/µs CMTI 8-SOIC (0.154", LCSC Part N.=C87626, Max Supply Voltage=5.5V, Min Supply Voltage=2.7V, PartNumber=ADUM1201BRZ-RL7, Data Rate=25Mbps, Pick&PlaceFootprint=SOIC8
U3 U16: library part CMP-970-0066-1, "500mA 70dB Fixed 3.3V Positive electrode 16V LDO", Dropout Voltage=340mV, LCSC Part N.=C13417, Max Input Voltage=16V, Max Output Current=800mA, Min Input Voltage=2.5V, Output Current=500mA, Output Voltage=5V, PartNumber=SPX3819M5-L-5-0/TR, Quiescent Current=8uA, Accuracy=1%, Line Regulation=0.04%, Load Regulation=0.05%, Max Supply Voltage=16V, Output Noise=40uV, Output Type=Fixed, Pick&PlaceFootprint=SOT23-5, PSRR=70dB
U4 U7 U8_1 U8_2 U8_3 U8_4 U8_5 U8_6 U8_7 U8_8 U8_9 U8_10 U8_11 U8_12: library part CMP-9A0-0003-1, "Analog Switch/Analog Multiplexer Single 2: 1 Automotive 6-Pin SOT-23 T/R", LCSC Part N.=C579118, Max Supply Voltage=5.5V, Min Supply Voltage=1.8V, On-State Resistance=600mR, PartNumber=ADG819BRTZ-REEL7, Bandwidth=17MHz, Number of Channels=1, Throw Configuration=SPDT
U5 U6 U9_1 U9_2 U9_3 U9_4 U9_5 U9_6 U9_7 U9_8 U9_9 U9_10 U9_11 U9_12 U17: library part CMP-941-0002-4, "Operational Amplifier, 2 Func, 750uV Offset-Max, CMOS, PDSO8", Input Offset Voltage=65µV, LCSC Part N.=C459905, Max Supply Current=80mA, Max Supply Voltage=5V, Min Supply Voltage=0V, PartNumber=AD8606ARMZ-REEL, Quiescent Current=1mA, Voltage Drift=4.5µV/°C, CMRR=100dB, Gain Bandwidth=10MHz, Pick&PlaceFootprint=MSOP-8, PSRR=95dB, Slew Rate=5V/µs
U10_1 U10_2 U10_3 U10_4 U11: library part CMP-950-0024-1, "8-Bit Bidirectional Voltage-Level Shifter with Auto Direction Sensing and +/-15-kV ESD Protect 20-TSSOP -40 to 85", LCSC Part N.=C53406, Max Supply Voltage=5.5V, Min Supply Voltage=1.2V, PartNumber=TXB0108PWR, Channel Type=Bidirectional, Data Rate=100Mbps, Number of Channels=8, Output Type=3-STATE, Propagation Delay=4ns
U12: library part CMP-950-0006-5, "4-Bit Bidirectional Voltage-Level Shifter with Auto Direction Sensing and +/-15 kV ESD Protect 14-TSSOP -40 to 85", LCSC Part N.=C60708, Max Supply Voltage=5.5V, Min Supply Voltage=1.2V, PartNumber=TXB0104PWR, Channel Type=Bidirectional, Propagation Delay=31ns
U13: library part CMP-941-0018-4, "Op Amp Dual High Output Current Amplifier R-R O/P ±12.6V/25.2V 8-Pin SOIC N EP Tube", Input Offset Voltage=65µV, LCSC Part N.=C90876, Max Output Current=310mA, Max Supply Voltage=25.2V, Min Supply Voltage=3V, PartNumber=AD8397ARDZ, Quiescent Current=11mA, Voltage Drift=4.5µV/°C, CMRR=90dB, Gain Bandwidth=69MHz, PSRR=95dB, Slew Rate=53V/µs
U14: library part CMP-970-0067-1, "60mA Charge Pump Voltage Inverter with Fixed 250kHz Operation 5-SOT-23 -40 to 85", LCSC Part N.=C11338, Max Input Voltage=5.25V, Max Output Current=60mA, Min Input Voltage=1.8V, Min Output Voltage=-1.8V, PartNumber=TPS60403DBVR, Switching Frequency=250kHz, Switcher Configuration="Charge Pump"
U15: library part CMP-970-0044-2, "Step-down type Adjustable 800mV~15V 1.2A 4.5V~24V Switching Regulator/Controller", LCSC Part N.=C425775, Max Input Voltage=24V, Max Output Current=1.2A, Max Output Voltage=15V, Min Input Voltage=4.5V, PartNumber=RT8259GJ6, Reference Voltage=0.8V, Switching Frequency=1.4MHz, Pick&PlaceFootprint=SOT23-6, RDS(ON)=300mR, Switcher Configuration=BUCK

## Free pads (board coordinates)
  round 0 hole 3.2 unplated: 0(4,3) 0(70,3) 0(140,3) 0(140,119) 0(210,3) 0(210,119) 0(280,3) 0(280,119) 0(350,3) 0(350,119) 0(394,3) 0(394,119)

## Via types
v1: diameter 0.61, hole 0.305, Top Layer to Bottom Layer, tented both sides, 522 vias
v2: diameter 0.5, hole 0.2, Top Layer to Bottom Layer, tented bottom, 6 vias

## Nets (pads, with @x,y where several pads share a name; then routed paths per layer and width w, separated by ;. In a path a pad name is that pad's centre, name@x,y a point inside that pad or via, vN(x,y) a via of type N, cw(c..) or ccw(c..) an arc to the next point about the centre after c; other vN are vias at no path point)
3V3: C1.2 C9.2 C10.2 C22_1.2 C22_2.2 C22_3.2 C22_4.2 C25.2 C26.2 C41.1 CN2.2 SW2_1.3 SW2_2.3 SW2_3.3 SW2_4.3 SW3.3 SW4_1.4 SW4_2.4 U2.8 U10_1.2 U10_1.10 U10_2.2 U10_2.10 U10_3.2 U10_3.10 U10_4.2 U10_4.10 U11.2 U11.10 U12.1 U12.8 U14.2 | length 812.3
  Top Layer w0.152: v1@19.08,34.705 19.125,34.661 U10_2.10@19.125,30.85 19.102,30.873 18.048,30.873 17.75,30.575 C22_2.2@17.75,29.575 23.862,29.575 24.356,30.069 24.356,30.819 U10_2.2@24.325,30.85 ; v1(19.125,34.75) 19.125,37.325 28.525,46.725 38.75,46.725 40.3,48.275 40.3,60.475 v1(41.5,61.675) C9.2@41.5,60.45 41.488,60.438 41.488,57.027 U2.8@41.475,57.015 U2.8@40.929,57.015 ; U10_3.10@202.925,33.35 202.925,31.975 203.8,31.1 208.15,31.1 208.225,31.175 208.175,31.225 208.175,33.3 U10_3.2@208.125,33.35 ; v1(208.262,31.175) 209.537,29.9 C22_3.2@211.15,29.9 211.275,29.775 212.425,29.775 213.8,31.15 SW2_3.3@213.8,33.5 ; SW2_4.3@236.8,33.5 238.8,35.5 248.275,35.5 249.025,34.75 U10_4.10@249.025,33.4 249.025,32.925 247.65,31.55 C22_4.2@247.65,30 249.375,30 250.725,31.35 253.575,31.35 254.225,32 U10_4.2@254.225,33.4 ; U11.10@248.9,78.775 248.9,77.775 249.275,77.4 253.625,77.4 254.1,77.875 U11.2@254.1,78.775 C26.2@254.1,81.55 254.15,81.5 SW3.3@259.8,81.5 ; U12.8@269.075,64.05 269.075,65.825 270.175,66.925 272.175,66.925 272.975,67.725 U12.1@272.975,69.65 C25.2@272.975,72.625 v1(272.975,73.75) ; v1(320.35,93.775) 320.375,93.8 365.556,93.8 374.8,84.556 SW2_1.3@374.8,81.5 ; v1(320.375,109.45) C41.1@320.375,108.275 320.375,107.275 320.65,107 U14.2@320.65,106.775 ; v1(363.45,53.575) C22_1.2@364.55,53.575 366.486,53.575 366.575,53.486 U10_1.2@366.575,50.975 ; v1(366.575,53.575) 366.606,53.544 371.181,53.544 371.775,52.95 U10_1.10@371.775,50.975
  Top Layer w0.305: CN2.2@38.075,117.443 38.075,114.894 C1.2@38.056,114.875 38.056,101.919 46.2,93.775 46.2,66.375 v1(41.5,61.675) ; SW3.3@259.8,81.5 264.775,86.475 264.775,109.075 SW4_1.4@266.2,110.5
  Layer 3 w0.305: SW2_2.3@6.8,33.5 9.425,36.125 19.325,36.125 29.202,46.002 39.427,46.002 41.5,48.075 v1(41.5,61.675) ; CN2.2@38.056,117.443 39.663,119.05 92.35,119.05 94.65,116.75 259.95,116.75 SW4_1.4@266.2,110.5 271.725,116.025 306.675,116.025 SW4_2.4@312.2,110.5 313.279,109.421 320.346,109.421 v1@320.363,109.437 ; SW2_3.3@213.8,33.5 213.8,31.579 215.529,29.85 233.15,29.85 SW2_4.3@236.8,33.5 239.65,36.35 249.025,36.35 262.75,50.075 270.725,50.075 274.777,54.127 274.777,71.948 v1(272.975,73.75) ; v1(320.35,93.775) 320.363,93.787 v1@320.363,109.437 ; v1(320.375,109.45) v1@320.363,109.437
  Bottom Layer w0.152: v1(363.45,53.575) 362.6,54.425 362.6,69.3 SW2_1.3@374.8,81.5
  Bottom Layer w0.305: SW3.3@259.8,81.5 259.8,79.1 265.15,73.75 v1(272.975,73.75)